# KiCad board Part 10-AMLDC-2044B.kicad_pcb (continued)
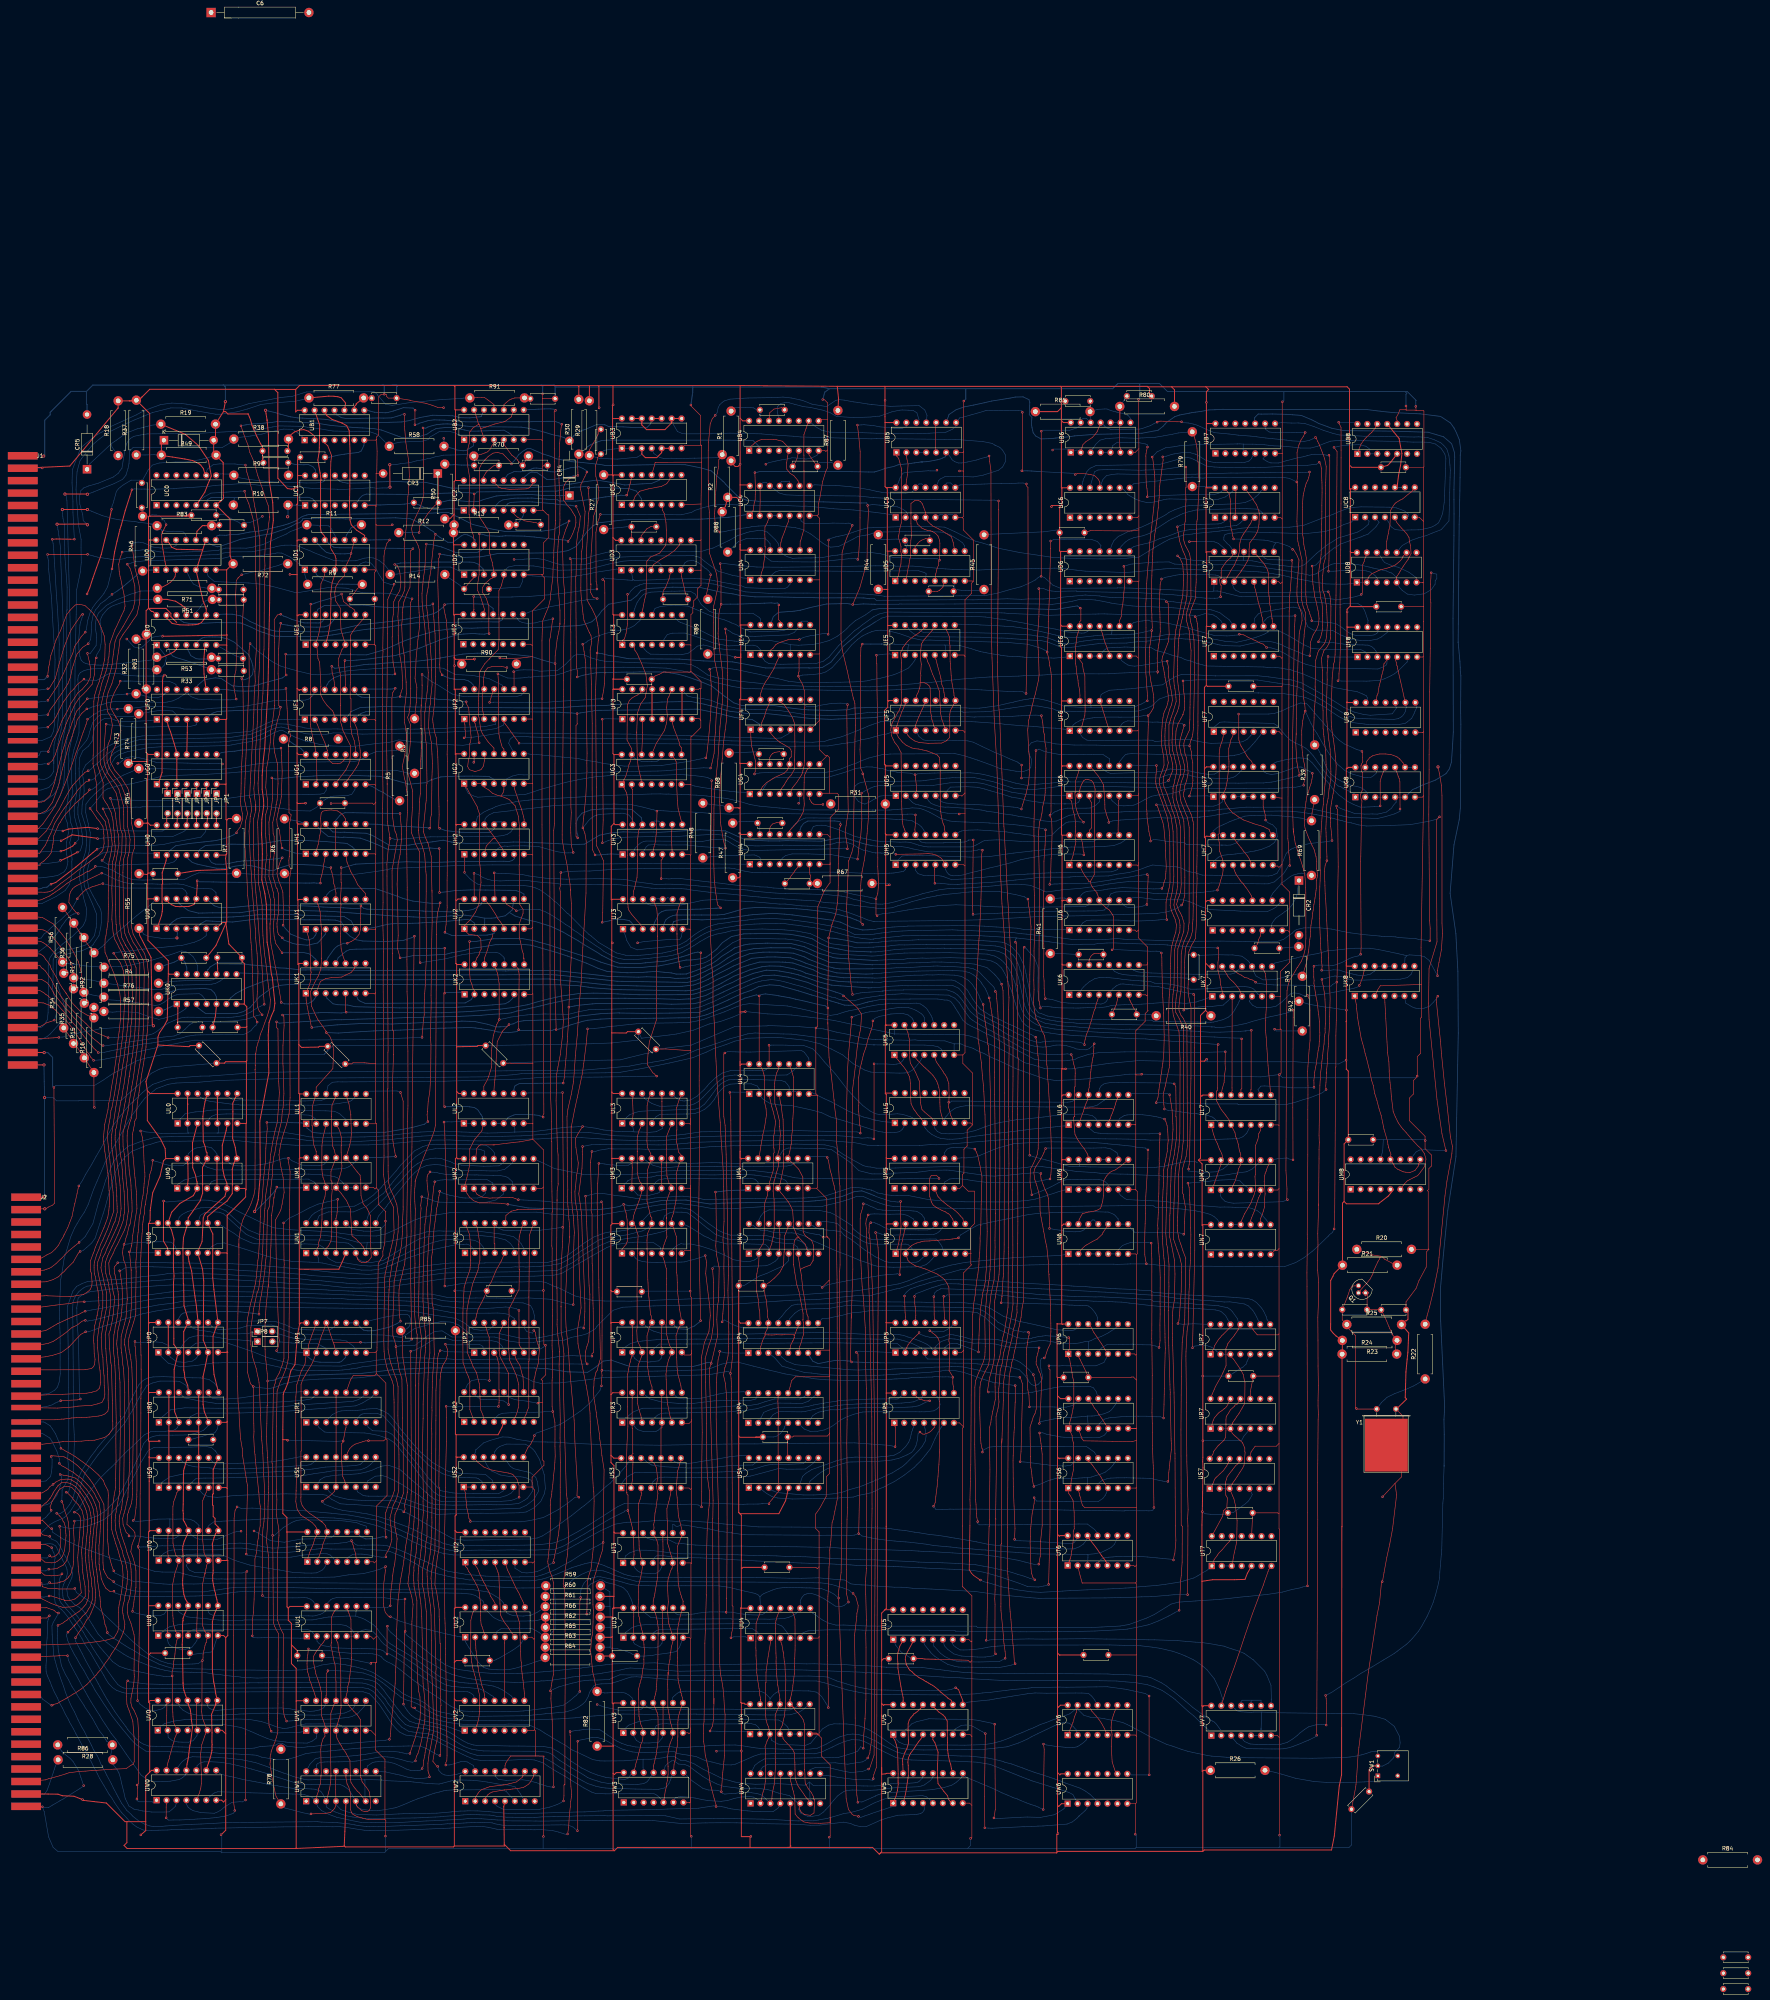
[diagram p0: board, top side]
## Routing (per net, layer and track width the routed paths; a pad name or vN(x,y) marks a point on that pad's centre or on a via; arc(x,y) is an arc through that point) (continued)
K1p10: length 70.7
  Top w0.15: 157.08,284.76 157.08,284.87 ; 157.08,284.76 v1(157.12,286.23) 157.08,286.21 ; 157.08,284.76 157.08,283.11 157.08,282.38 157.17,282.36 156.95,278.22 157.06,276.66 157,275.61 157.04,271.1 157,269.45 156.88,268.55 157.02,267.15 157.11,265.45 157.55,263.69 UK1.10
  Bottom w0.2: UH2.6 201.42,288.52 200.8,287.99 200,287.77 198.54,287.82 186.83,287.72 185.96,287.7 181.36,287.53 173.78,287.69 171.95,287.6 160.79,287.08 158.93,286.55 157.41,286.11 v1(157.12,286.23)
K1p11: length 247.6
  Top w0.15: UN5.1 299.1,188.71 299.31,189.39 299.56,190.21 299.66,190.94 299.85,191.94 300.15,194.47 300.01,198.49 v1(300.05,200.92) 300.05,201.01 300.11,200.95 ; v1(183.59,265.62) 183.59,254.18 v1(183.55,254.14) 183.36,253.95 183.36,225.33 v1(183.55,225.14) ; 199.83,200.24 v1(199.7,200.21) 198.07,200.47 195,200.56 192.42,200.56 190.94,201.12 189.89,202.05 189.29,202.95 UM2.1 189.22,206.96 189.58,208.6 189.91,210.1 189.91,211.63 189.96,211.68 189.96,214.39 190.04,214.47 190.95,216.33 191.31,216.89 193.07,218.98 193.37,220.67 UL2.3 ; 229.38,200.09 v1(229.27,200.2) 229.61,198.89 229.89,198.01 230.01,197.16 230.18,196.22 230.23,191.41 230.21,190.75 229.98,190.07 228.86,188.73 UN3.1
  Bottom w0.15: 293.31,202.43 293.78,202.21 294.57,201.9 295.27,201.7 295.89,201.51 297.37,201 298.39,200.93 298.7,200.84 299.32,200.79 299.67,200.8 v1(300.05,200.92)
  Bottom w0.2: 293.31,202.43 292.46,202.78 290.14,203.64 288.15,203.42 285.18,202.25 282.17,201.58 280.71,201.35 278.33,201.1 276.01,200.93 273.08,200.85 254.69,200.51 251.34,200.29 247.32,200.9 245.25,201.29 239.1,201.2 234.91,200.41 232.17,200 230.65,199.83 v1(229.27,200.2) 228.43,199.74 228.07,199.64 226.85,199.37 223.55,198.93 222.03,198.84 220.05,198.77 214.38,198.93 212.86,199.01 204.89,199.27 201.35,199.9 v1(199.7,200.21) ; UK2.1 187.53,254.38 183.68,254.27 v1(183.55,254.14) ; v1(183.55,225.14) 188.02,225.14 188.88,225.22 189.93,225.1 191.15,224.92 192,224.37 192.81,223.15 192.82,223.15 193.16,222.63 UL2.3 ; UK1.11 156.37,263.2 158.39,264.86 159.37,265.28 160.96,265.37 181.23,265.59 182.87,265.57 183.59,265.64 v1(183.59,265.62)
K2p11: length 216.4
  Top w0.15: 343.6,238.57 343.64,238.54 v1(343.64,238.46) 343.71,238.46 343.86,237.92 344.29,236.03 344.48,235.22 344.64,234.66 344.66,233.66 344.63,232.96 344.63,230.29 344.44,230.1 344.44,229.15 344.44,229.14 344.44,225.15 344.52,222.64 344.55,222.7 344.22,222.41 344.55,218.69 344.6,218.07 344.87,217.54 345.19,216.86 345.46,216.49 346.02,215.65 346.54,214.93 346.97,214.41 347.69,213.23 347.89,212.79 UM6.12 ; UK2.11 197.03,259.25 197.17,258.57 197.48,256.56 197.48,247.47 197.51,247.43 v1(197.52,247.4) 196.83,246.06 195.97,243.26 195.53,239.47 195.56,235.3 194.78,232.81 194.46,232.01 193.56,230.36 UL2.12
  Bottom w0.15: 294.6,253.46 292.46,253.15 290.22,252.81 289.41,252.58 288.24,252.18 286.17,252.28 285.29,252.35 284.44,252.52 283.33,252.97 282.41,253.12 280.03,254.02 278.36,254.58 276.75,255.18 274.87,255.82 272.85,256.32 270.98,256.89 268.74,257.41 267.13,257.6 266.2,257.5 264.56,257.27 262.97,256.85 260.87,255.99 256.43,254.01 255.12,253.35 253.87,252.78 252.71,252.18 250.92,251.45 249.15,250.72 247.61,250.33 246.99,250.28 244.09,250.12 233.21,250.22 230.18,250.14 222.1,249.97 220.39,249.89 217.84,249.39 216.75,249.1 215.21,248.73 214.22,248.74 213.33,248.76 209.39,248.81 209.19,248.81 205.52,248.66 204.61,248.58 202.75,248.35 202.16,248.24 200.47,248.03 199.13,247.71 v1(197.52,247.4) ; 294.6,253.46 294.71,253.48 ; 294.6,253.46 296.99,253.79 298,253.86 298.64,253.86 300.35,253.97 309.68,253.7 312.32,253.63 312.83,253.36 313.91,252.87 315.03,251.69 316.21,249.87 316.85,248.93 317.84,247.65 318.47,247.19 319.5,246.52 322.09,245.01 323.16,244.55 325.42,243.25 326.79,242.6 329.69,240.9 331.21,240.03 333.76,238.89 335.43,238.62 336.68,238.55 337.7,238.45 340.03,238.49 342.01,238.56 342.67,238.63 v1(343.64,238.46)
K5p1: length 58.9
  Top w0.15: UL5.4 305.35,221.94 305.05,222.41 304.4,223.1 304.15,223.49 303.71,224.11 303.38,224.55 302.72,225.88 302.61,227.51 302.61,227.82 302.54,231.16 302.45,231.99 302.32,232.74 302.06,233.3 301.87,233.69 301.67,234.12 300.82,235.33 300.18,236.06 299.94,236.41 299.44,237 299.05,237.49 298.83,238 UK5.1
  Bottom w0.15: UL6.1 341.91,220.21 341.34,220.21 340.77,220.14 340.14,220.06 339.54,219.99 339.07,219.94 337,219.73 336.39,219.69 335.74,219.58 335.28,219.59 332.77,219.34 332.06,219.21 331.49,219.15 330.4,218.99 330.18,218.98 328.12,218.73 326.92,218.56 324.06,218.32 322.89,218.1 320.92,217.84 320.34,217.75 319.18,217.62 317.99,217.42 315.87,217.11 315.01,216.95 313.35,216.83 312.62,216.84 312.03,216.84 310.22,217.06 309.14,217.45 307.93,218.12 307.34,218.6 306.97,218.91 306.38,219.63 306.22,219.89 UL5.4
K5p3: length 65.2
  Top w0.15: UK5.3 303.87,237.59 304.33,237.03 304.88,236.5 305.97,235.36 306.36,235.01 307.2,234.25 307.59,233.86 308.28,233.18 308.99,232.16 309.3,231.6 309.55,230.93 309.79,230.09 309.99,229.09 310.08,226.94 310.08,226.16 310.13,225.1 310.15,224.27 310.55,222.85 310.77,222.01 UL5.6
  Bottom w0.15: UL5.6 311.3,222.18 311.65,222.59 311.97,222.96 312.41,223.52 312.81,223.94 313.98,224.76 315.44,225.19 316.72,225.37 333.74,225.17 334.98,225.09 335.49,225.09 337.4,225.07 347.86,225.03 349.13,225.17 350.35,225.57 351.91,226.69 352.08,226.77 352.36,227.05 352.69,227.36 UL6.10
K5p5: length 52.9
  Top w0.15: UK5.5 308.93,237.27 309.17,236.59 309.4,236.26 309.73,235.8 310.2,235.14 310.92,234.07 311.13,233.68 311.49,233.22 311.91,232.47 312.06,231.93 312.36,231.08 312.44,227.92 312.38,226.28 312.36,226.3 v1(312.36,226.25) 312.41,226.25 312.45,226.21 312.27,225.66 312.24,225.09 312.48,224.44 312.85,222.94 313.34,221.94 UL5.7
  Bottom w0.15: v1(312.36,226.25) 312.75,226.25 313.06,226.57 318.23,226.57 318.27,226.53 325.08,226.4 326.26,226.38 341.53,226.28 342.63,226.28 343.52,226.37 344.03,226.57 344.31,226.71 344.64,226.96 344.99,227.34 UL6.13
K5p13: length 72.8
  Top w0.15: UK5.13 301.48,245.12 301.92,244.01 302.26,242.44 302.32,241.76 302.27,238.77 302.52,236.28 303.35,234.86 303.9,233.8 304.82,231.69 305.14,226.13 305.35,225.02 305.53,224.37 306.14,223.79 307.2,222.9 307.84,222.37 308.25,221.86 UL5.5
  Bottom w0.15: UL6.4 349.92,222.16 349.02,222.84 347.66,223.14 346.15,223.25 342.72,223.12 340.14,222.96 337.91,222.7 336.63,222.5 332.68,222.07 330.74,221.89 329.74,221.81 329.65,221.81 327.13,221.38 325.66,221.14 323.51,220.64 321.47,219.94 319.12,219.04 316.03,218.33 312.45,218.22 311.46,218.23 310.4,218.33 309.41,218.82 308.73,219.69 UL5.5
K6p2: length 50.1
  Bottom w0.15: 378.68,255.26 378.9,255.26 ; 378.68,255.26 375.63,255.15 374.1,255.15 372.7,255.56 370.42,256.14 368.58,256.48 364.96,256.68 363.74,257.17 362.81,257.17 361.62,257.26 360.84,257.31 359.67,257.37 358.87,257.45 356.61,257.69 355.41,257.88 352.68,258.14 350.93,258.13 349.57,257.8 348.27,257.04 347.39,256.3 346.77,255.71 346.25,255.12 UK6.2 ; 378.68,255.26 382.5,255.58 383.62,255.6 384.71,255.69 386.65,255.79 387.83,255.83 389.24,255.64 390.07,255.31 390.76,254.67 391.36,253.87 UK7.6
K6p4: length 390.4
  Top w0.15: v1(136.99,100.28) 136.92,100.35 137.02,115.9 137.15,117.64 137.4,119.19 137.42,119.85 137.61,122.21 137.58,123.78 137.58,126.84 137.32,131.18 137.09,136.64 137.01,138.11 136.84,139.8 136.76,140.94 136.52,146.17 136.44,148.04 136.21,153.58 136.12,154.74 136,155.54 135.77,156.44 135.41,158.25 134.46,161.24 134.03,164.45 134.04,166.79 134.04,168.73 134.21,169.84 134.74,173.5 135.18,175.55 135.61,177.53 136.03,178.52 136.29,180.5 136.55,182.12 136.96,186.84 137.04,188.12 137.27,194.4 137.42,195.78 137.53,198.54 137.64,199.09 137.78,202.12 138.04,203.89 138.48,206.86 138.59,208.19 138.99,211.67 139.08,212.83 139.62,216.12 140.19,218.86 140.72,220.86 140.83,221.66 141.08,224.88 141.32,228.67 141.14,231.6 141.08,233.13 140.96,244.99 140.6,245.35 v1(140.6,246.8) ; 347.03,240.85 v1(347.03,240.98) 347.03,241.55 347.2,242.3 347.51,243.53 348.16,245.09 348.74,247.01 349.09,248.27 349.56,249.85 349.76,250.18 350.02,251.35 350.43,252.47 UK6.4
  Bottom w0.15: v1(347.03,240.98) 347.03,241.08 346.02,241.58 344.05,241.72 342.33,241.84 341.52,241.88 341.5,241.91 339.17,241.91 338.1,241.85 336.3,241.68 335.83,241.57 334.7,241.65 332.99,242.18 330.84,243.35 330.17,243.62 328.84,244.36 327.45,245.08 326.36,245.65 325.31,246.17 324.08,246.8 323.51,247.03 322.17,247.8 321.71,248.02 320.97,248.44 320.01,248.96 318.59,250.43 317.79,251.5 316.3,253.62 316.18,253.85 316.19,253.89 314.92,255.38 313.42,256.05 311.91,256.13 301.93,256.02 300.53,256.05 299.55,256.01 297.02,255.89 296.42,255.8 293.47,255.52 292.68,255.52 ; UU1.13 149.97,98.78 149.33,99.34 148.39,99.69 147.64,99.75 146.27,99.71 144.78,99.7 137.71,99.74 v1(136.99,100.28)
  Bottom w0.2: 292.68,255.52 291.92,255.48 284.69,256 282.35,256.18 278.73,257.12 276.55,257.93 273.97,258.8 272.12,259.24 269.13,259.78 268.38,259.87 265.73,260 262.47,259.21 258.99,257.88 257.08,256.87 255.19,256.11 253.57,255.25 252.98,255 250.28,253.54 246.87,252.66 245.84,252.66 243.68,252.54 238.1,252.71 235.41,252.72 229.64,252.83 227.89,252.83 217.7,252.8 214.97,252.45 209.99,251.37 207.98,250.86 203.34,249.81 201.99,249.56 200.64,249.12 199.38,248.93 195.03,248.68 192.84,248.47 187.01,248.18 184.01,248.12 177.29,247.94 173.76,247.89 169.31,247.7 161.38,247.48 157.12,247.34 155.63,247.35 152.1,247.17 149.63,246.98 144.96,246.71 143.25,246.62 141.31,246.47 v1(140.6,246.8)
K6p6: length 5.5
  Top w0.15: C49.2 354.49,249.74 354.84,250.51 355.15,251.19 355.47,252.56 355.39,253.26 UK6.6
K6p7: length 10.8
  Top w0.15: UK6.7 358.16,253.49 358.52,252.54 358.68,252.16 358.71,252.16 358.85,251.82 359.19,251.24 359.5,250.47 360.03,249.73 C49.1
  Bottom w0.15: R40.2 365.01,248.7 C49.1
K6p10: length 30.3
  Bottom w0.15: UK6.10 358.86,260.49 359.5,260.02 360.08,259.79 360.7,259.55 362.05,259.39 364.09,259.28 374.87,258.96 384.42,259 385.38,259.28 UK7.11
K6p12: length 22.6
  Bottom w0.15: C48.2 373.69,257.95 363.96,258.38 360.38,258.55 356.93,258.88 355.76,259.18 354.71,259.69 UK6.12
K6p14: length 5.9
  Top w0.15: UK6.14 348.21,262.58 348.33,262.92 348.68,263.58 348.88,263.79 349.28,264.14 349.61,264.2 350.58,264.28 351.61,264.28 C50.1
K6p15: length 10
  Bottom w0.15: R41.1 340.25,264.28 C50.2 345.53,261.46 UK6.15
K7p8: length 102.7
  Top w0.15: v1(437.24,258.57) 437.24,259.96 437.22,259.98 437.6,262.01 438.24,265.31 438.49,269.38 438.37,272.04 438.37,304.56 438.24,307.1 437.73,310.14 v2(437.35,311.92)
  Bottom w0.15: UK7.8 395.52,261.78 397.34,262.22 398.6,262.56 401.15,263.11 402.7,263.55 406.66,264.26 408.97,264.9 414.36,265.48 416.04,265.6 420.01,265.6 422.14,265.26 427.13,264.23 428.56,263.9 429.38,263.64 428.92,263.19 UK8.9 ; 437.28,258.55 v1(437.24,258.57) 436.37,260.16 435.13,262.47 433.81,263.47 433,263.64 432.93,263.72 430.03,263.91 429.22,263.69
K7p9: length 33.1
  Top w0.15: UL7.8 393.93,235.63 393.65,239.89 393.45,242.9 393.28,244.6 393.34,247.2 393.37,248.68 393.49,250.43 393.54,256.58 393.34,258.35 393.25,259.13 392.79,260.04 UK7.9
K8p1: length 54
  Top w0.15: UK8.1 416.31,252.14 416.49,251.14 416.55,250.26 416.83,247.81 417.02,246.5 417.29,245.07 417.74,242.46 418.12,241.21 418.48,239.87 418.73,238.74 419.08,237.53 419.89,234.27 420.4,231.82 420.82,230.55 421.16,228.58 421.75,226.71 422.3,224.58 422.83,222.9 423.23,221 423.4,220.11 423.55,219.38 424.47,216.25 424.56,215.47 424.75,214.8 424.71,214.81 424.96,213.99 425.33,212.99 425.2,212.5 UM8.12 425.82,210.72 426.35,209.7 427.04,209.17 427.51,208.96 428.42,208.52 429.07,208.41 430.2,208.32 431.48,208.86 432.28,209.96 UM8.9
K8p4: length 55.2
  Top w0.15: UK8.4 423.79,251.71 423.95,248.89 424.01,247.62 424.47,238.9 424.8,236.62 424.89,234.34 424.87,234.02 425.09,231.3 425.28,229.82 425.44,227.72 425.9,223.89 426.44,222.56 427.21,221 427.97,219.93 428.42,219.39 429.22,218.52 430.62,216.84 431.21,216.22 432.18,215.17 433.11,214.32 433.44,213.81 433.89,213.12 434.28,211.75 433.91,209.85 433.3,209 432.94,208.49 432.15,207.52 431.29,207.12 430.12,206.52 429.48,206.18 428.8,205.44 UM8.6
K8p5: length 99.1
  Top w0.15: v1(437.31,253.36) 436.97,252.99 436.97,251.72 437.98,241.82 438.24,238.64 439,231.02 439.64,225.82 440.52,217.43 441.03,215.02 440.91,213.24 440.65,211.72 439.64,206.13 439.13,202.32 437.6,186.57 437.35,183.91 436.21,178.19 435.19,174 434.56,171.71 R22.2
  Bottom w0.15: 437.27,253.35 437.31,253.38 v1(437.31,253.36) 437.29,253.36 437.01,252.76 436.77,252.49 436.14,251.78 435.15,250.78 433.78,250.29 432.43,250.16 431.5,250.33 430.68,250.65 429.1,251.61 UK8.6 UK8.5
L0p1: length 48.6
  Bottom w0.15: UL0.1 115.33,221.19 117.23,223.31 119.83,223.81 121.65,223.92 123.7,224.24 125.25,224.33 140.08,224.45 145,224.37 149.47,224.15 150.7,224.09 153.09,224.08 155.41,223.96 156.72,223.35 157.07,223.01 158.16,222.02 UL1.5 UL1.6
L0p4: length 30.4
  Bottom w0.15: UL1.2 150.77,221.67 150.53,222.02 149.57,222.75 148.91,222.98 147.58,223.05 144.49,223.17 140.05,223.12 133.38,223.18 130.04,223.27 127.82,223.28 125.18,223.16 124.06,222.7 123.38,222.14 UL0.4
L0p9: length 166.2
  Top w0.15: UJ3.11 237.25,276.9 237.75,275.65 237.9,273.86 237.89,272.87 237.96,268.64 237.93,268.7 237.84,262.4 237.73,259.8 237.7,255.11 237.68,252.34 237.67,250.86 237.67,247.32 235.85,241.67 235.51,238.62 235.34,235.9 236.75,233.79 237.09,233.56 237.54,233.06 237.64,232.95 v1(237.74,232.95) 237.74,232.85 237.8,232.79
  Bottom w0.15: v1(237.74,232.95) 229.01,232.79 223.56,232.71 220.43,232.67 212.64,232.76 208.74,232.67 202.81,232.2 183.6,231.64 157.5,231.46 156.26,231.48 154.86,231.38 153.75,230.48 UL1.12 153.27,227.21 151.97,226.71 150.15,226.62 149.96,226.69 147.87,226.61 132.13,226.83 131.26,226.88 130,226.73 129.3,227.02 128.39,227.61 UL0.9 ; UJ3.9 241.43,278.1 240.55,278.58 240.08,278.1 UJ3.10 238.18,278.25 237.54,278.23 237.28,278.1 UJ3.11
L0p12: length 42.4
  Bottom w0.15: UL1.9 160.6,227.53 160.14,227.08 159.85,226.79 159.23,226.4 159.22,226.39 156.8,226.01 154.67,225.72 151.7,225.65 150.44,225.51 148.64,225.53 143.1,225.6 143.06,225.56 131.42,225.56 130.82,225.64 129.83,225.69 126.9,226.08 124.97,226.32 123.64,226.5 122.57,226.76 121.16,227.5 UL0.12
L0p13: length 514.9
  Top w0.15: UU3.10 239.21,95.87 239.25,93.24 UU3.5 ; UU3.2 231.87,94.96 231.87,96.05 UU3.13 ; UL3.2 231.71,223.3 231.57,226.61 231.71,228.24 UL3.13 ; 219.93,95.49 v1(219.89,95.52) 219.93,99.33 219.98,100.41 219.98,100.81 219.97,101.21 219.97,103.25 220.25,104.96 220.56,105.91 220.94,107.07 221.36,110.76 221.5,112.09 221.59,116.08 221.59,117.46 221.74,124.37 221.65,126.79 221.51,127.94 221.18,134.18 220.87,141.9 220.74,144.67 220.7,146.87 220.4,150 219.71,153.95 218.4,160.41 217.62,164.6 217.53,168.25 218.4,173.73 217.84,185.89 217.89,185.94 217.58,196.36 217.41,198.34 216.91,201.21 216.84,203.45 217,204.8 217.27,207.65 217.58,209.34 217.7,210.76 217.08,214.76 216.96,216.97 217.66,218.31 v1(218.79,220.08) ; 106.61,214.97 106.74,211.02 106.8,210 106.95,208.27 106.97,207.25 106.77,205.55 106.71,204.44 106.49,202.53 106.29,201.67 105.78,197.92 105.53,196.78 105.33,193.76 105.23,193.04 105.1,191.87 105.01,190.91 104.92,189.12 104.9,188.79 104.72,186.14 104.65,185.37 104.69,183.85 104.73,183.03 104.63,176.7 104.66,175.18 104.64,172.76 104.61,172 104.1,170.14 103.42,168 102.92,166.24 102.74,165.19 102.92,163.1 103.18,161.89 103.39,160.52 103.62,158.63 103.87,151.58 103.85,150.48 103.85,149.64 103.87,149.32 104.04,145.08 103.77,127.56 103.76,126.14 103.68,124.76 103.5,123.81 103.26,122.92 102.99,122.5 102.74,121.56 102.52,120.92 102.37,118.46 103,117.9 104.02,116.91 104.39,116.36 104.48,115.4 103.69,113.36 103.35,111.45 103.83,110.35 104.42,108.19 104.67,106.67 104.67,102.36 104.66,102.28 104.38,99.98 104.22,99.29 104.15,98.46 103.98,97.5 103.9,96.94 v1(103.81,96.26) ; UU0.2 112.73,91.16 112.75,91.53 112.75,96.38 112.77,96.86 UU0.13 ; v1(105.87,218.94) 106.32,217.33 106.62,214.67 ; UU0.10 120.36,96.58 120.24,92.81 120.23,91.53 120.18,91.22 UU0.5 ; UL3.5 239.07,226.42 239.05,226.45 239.07,226.47 UL3.10
  Top w0.25: UL0.10 UL0.5 ; UL0.13 117.87,225.87 117.95,225.79 117.87,225.71 UL0.2
  Bottom w0.15: 217.92,220.04 216.32,219.94 215.62,219.96 214.18,219.86 211.07,219.43 209.9,219.22 208.04,218.99 206.47,218.81 201.38,218.65 ; v1(103.81,96.26) 104.27,95.95 104.9,95.74 106.39,95.41 106.96,95.31 109.39,95.12 109.75,95.12 111.01,95.21 111.88,95.57 112.35,96.16 112.5,96.67 112.46,97.23 UU0.13 ; 217.64,220.04 218.28,220.02 v1(218.79,220.08) 222.26,219.62 224.03,219.21 228.09,218.77 228.96,218.75 231.86,218.75 231.86,218.75 UL3.2 ; 118.09,218.42 118.05,218.37 111.23,218.31 107.23,218.69 106.76,218.8 106.47,218.92 105.87,219.08 v1(105.87,218.94) ; 118.09,218.42 125.44,218.42 ; 118.09,218.42 117.95,218.55 UL0.2 ; UL3.5 239.23,220.72 239.23,219.59 237.61,218.75 235.82,218.58 233.86,218.65 232.99,218.67 232.09,218.69 231.39,218.75 ; UU3.5 239.07,88.1 238.53,87.41 237.47,86.95 236.02,86.92 234.42,87.01 233.49,87.15 232.12,87.92 231.8,88.34 231.76,88.38 UU3.2 ; UL2.6 201.49,219.53 201.49,218.65 201.38,218.65 ; 201.38,218.65 197.01,218.45 194.53,218.4 189.85,218.62 187.85,218.68 183.8,218.89 181.01,218.83 177.31,218.65 176.75,218.6 175.96,218.56 174.39,218.36 173.54,218.28 170.63,217.93 168.8,217.69 165.82,217.55 163.13,217.41 153.66,217.31 151.05,217.31 148.8,217.45 146.98,217.84 142.29,218.63 139.73,218.75 137.46,218.7 136.57,218.64 125.44,218.42 ; 125.44,218.42 125.66,218.42 125.84,218.59 125.84,220.52 UL0.5 ; UU3.13 231.59,98.29 231.17,99.42 230.26,101.23 229.31,102.2 228.73,102.51 226.8,103.18 224.85,103.61 223.81,104.26 223.2,104.33 222.04,103.82 220.95,103.29 220.7,103.05 220.28,102.72 220.12,102.1 220.12,99.25 219.93,97.17 v1(219.89,95.52) ; UU0.5 120.23,88.77 119.78,88.12 118.99,87.11 118.38,86.82 117.29,86.57 116.31,86.57 115.86,86.61 114.9,86.86 114.14,87.14 113.39,87.51 113.03,87.99 112.89,88.37 112.76,88.92 112.74,89.2 UU0.2
L1p8: length 785.9
  Top w0.15: v1(172.28,228.78) 172.95,226.54 172.94,199.48 ; 390.77,256.86 390.76,256.88 v1(390.76,256.91) 390.72,256.91 390.43,257.21 389.84,257.54 389.35,257.61 388.87,257.94 387.88,258.19 387.08,258.74 386.27,259.13 384.76,260.29 UK7.12 ; v1(410.8,193.91) 410.96,198.24 411.19,235.24 411.26,235.3 411.26,243.23 411.36,247.08 v1(411.5,256.94) 411.56,258.14 411.71,265.75 411.68,265.78 411.68,277.09 411.85,286.4 411.71,301.04 411.45,301.3 v1(411.45,301.92) ; v1(362.84,184.99) 362.65,185.81 362.43,187.3 362.42,191.02 362.46,193.35 362.53,195.36 362.62,197.94 362.63,199.26 362.7,202.3 363.15,209.62 363.25,211.92 v1(363.25,214.1) ; 172.94,199.58 172.95,198.97 172.82,196.33 172.8,193.36 172.52,189.79 172.19,187.96 171.89,186.76 171.4,184.4 170.63,180.28 170.59,177.62 170.29,169.96 170.29,168.64 170.31,166.77 171.1,164.19 v1(171.1,163.87) 171.2,162.36 171.55,160.37 171.93,157.97 172.64,155.58 172.76,145.64 172.74,145.62 172.87,139.16 172.97,138.21 172.97,126.63 172.97,126.3 172.8,125.79 171.82,123.13 171.35,122.08 170.88,121.03 170.79,119.75 170.82,118.13 170.94,117.25 171.09,116.48 171.4,114.9 171.4,114.68 171.14,111.44 170.78,108.31 170.48,106.97 170.27,105.3 170.12,103.97 170.05,103.12 169.86,101.91 169.75,100.12 v1(169.65,97.66)
  Bottom w0.15: v1(411.5,256.94) 410.47,256.39 409.99,255.91 408.44,255.91 408.33,255.81 405.61,255.81 405.31,256.11 403.69,256.11 403.66,256.14 395.38,256.23 393.15,256.4 391.79,256.6 391.77,256.57 391.2,256.65 v1(390.76,256.91) ; v1(363.25,214.1) 362.75,214.4 362.56,214.59 361.8,214.64 360.09,214.82 359.31,215.04 357.32,215.24 355.97,215.38 353.02,215.64 352.83,215.69 352.25,215.76 349.58,215.97 348.4,216.07 337.47,216.16 330.16,215.78 328.98,215.7 325.21,214.67 324,214.25 322.62,213.67 320.4,212.75 319.35,212.32 316.95,212.07 316.27,212.05 315.61,212.08 314.67,211.97 UM5.8 ; 376.64,184.4 368.76,184.39 v1(362.84,184.99) 358.73,184.99 358.72,184.98 358.05,184.95 355.37,184.86 354.49,184.91 345.79,184.92 342.48,184.91 336.5,184.81 335.55,184.76 332.97,184.71 329.54,184.58 328.84,184.6 328.21,184.58 326.36,184.54 322.56,184.25 321.75,184.19 321.06,184.17 319.12,183.94 315.34,183.51 313.62,183.03 309.62,181.91 308.63,181.65 305.28,180.64 303.98,180.24 302.1,179.51 299.86,178.76 298.91,178.6 295.43,177.68 294.35,177.43 293.51,177.25 293.13,177.13 292.49,176.9 290.39,176.96 288.33,176.84 287.77,176.77 284.46,176.45 278.61,175.88 276.69,175.82 276.66,175.86 271.75,175.68 256.5,174.66 237.01,174.25 228.97,173.92 226.58,173.13 222.47,169.06 222.08,168.44 220.04,167.2 218.37,166.7 216.01,166.24 214.08,165.5 211.93,165.37 208.47,165.32 206.22,164.93 206.2,164.92 202.54,164.92 199.99,165.28 199,165.57 196.32,166.31 185.44,166.31 182.9,167.88 181.09,167.73 179.87,167.07 179.28,166.69 178.53,166.1 175.98,164.19 173.22,164.1 173.13,164.07 172.26,164.05 v1(171.1,163.87) ; 376.64,184.4 398.07,184.26 401,185.34 403.13,186.58 405.21,188.19 406.04,188.91 409.3,192.07 409.39,192.15 409.71,192.53 410.39,193.01 410.46,193.16 v1(410.8,193.91) ; 376.64,184.4 376.97,184.4 ; v1(411.45,301.92) 412.4,301.33 413.52,300.9 414.56,300.58 415.95,300.05 418.56,299.87 420.59,299.89 421.86,299.86 422.73,300.03 424.16,300.39 424.98,300.98 425.5,301.38 425.9,302.03 426.66,302.93 ; 426.66,302.93 426.67,302.94 ; 426.66,302.93 426.66,303.92 UG8.5 UG8.6 ; v1(169.65,97.66) 168.87,97.17 164.21,97.23 163.93,97.51 UU1.8 ; v1(172.28,228.78) 171.4,229.15 170.32,229.15 163.92,229.09 163.43,228.6 UL1.8